# Altium PCB FM_V0.1.PcbDoc (part 2 of 3)
Units mm, origin at the board's own origin, x right, y up, seen from the top; angles counter-clockwise.
Board outline 99.9 x 100.1 mm, 2 copper layers (Top Layer, Bottom Layer); 147 components, 106 nets, 533 pads, 1581 vias.
Unrouted connection lines stored in the file: 2.
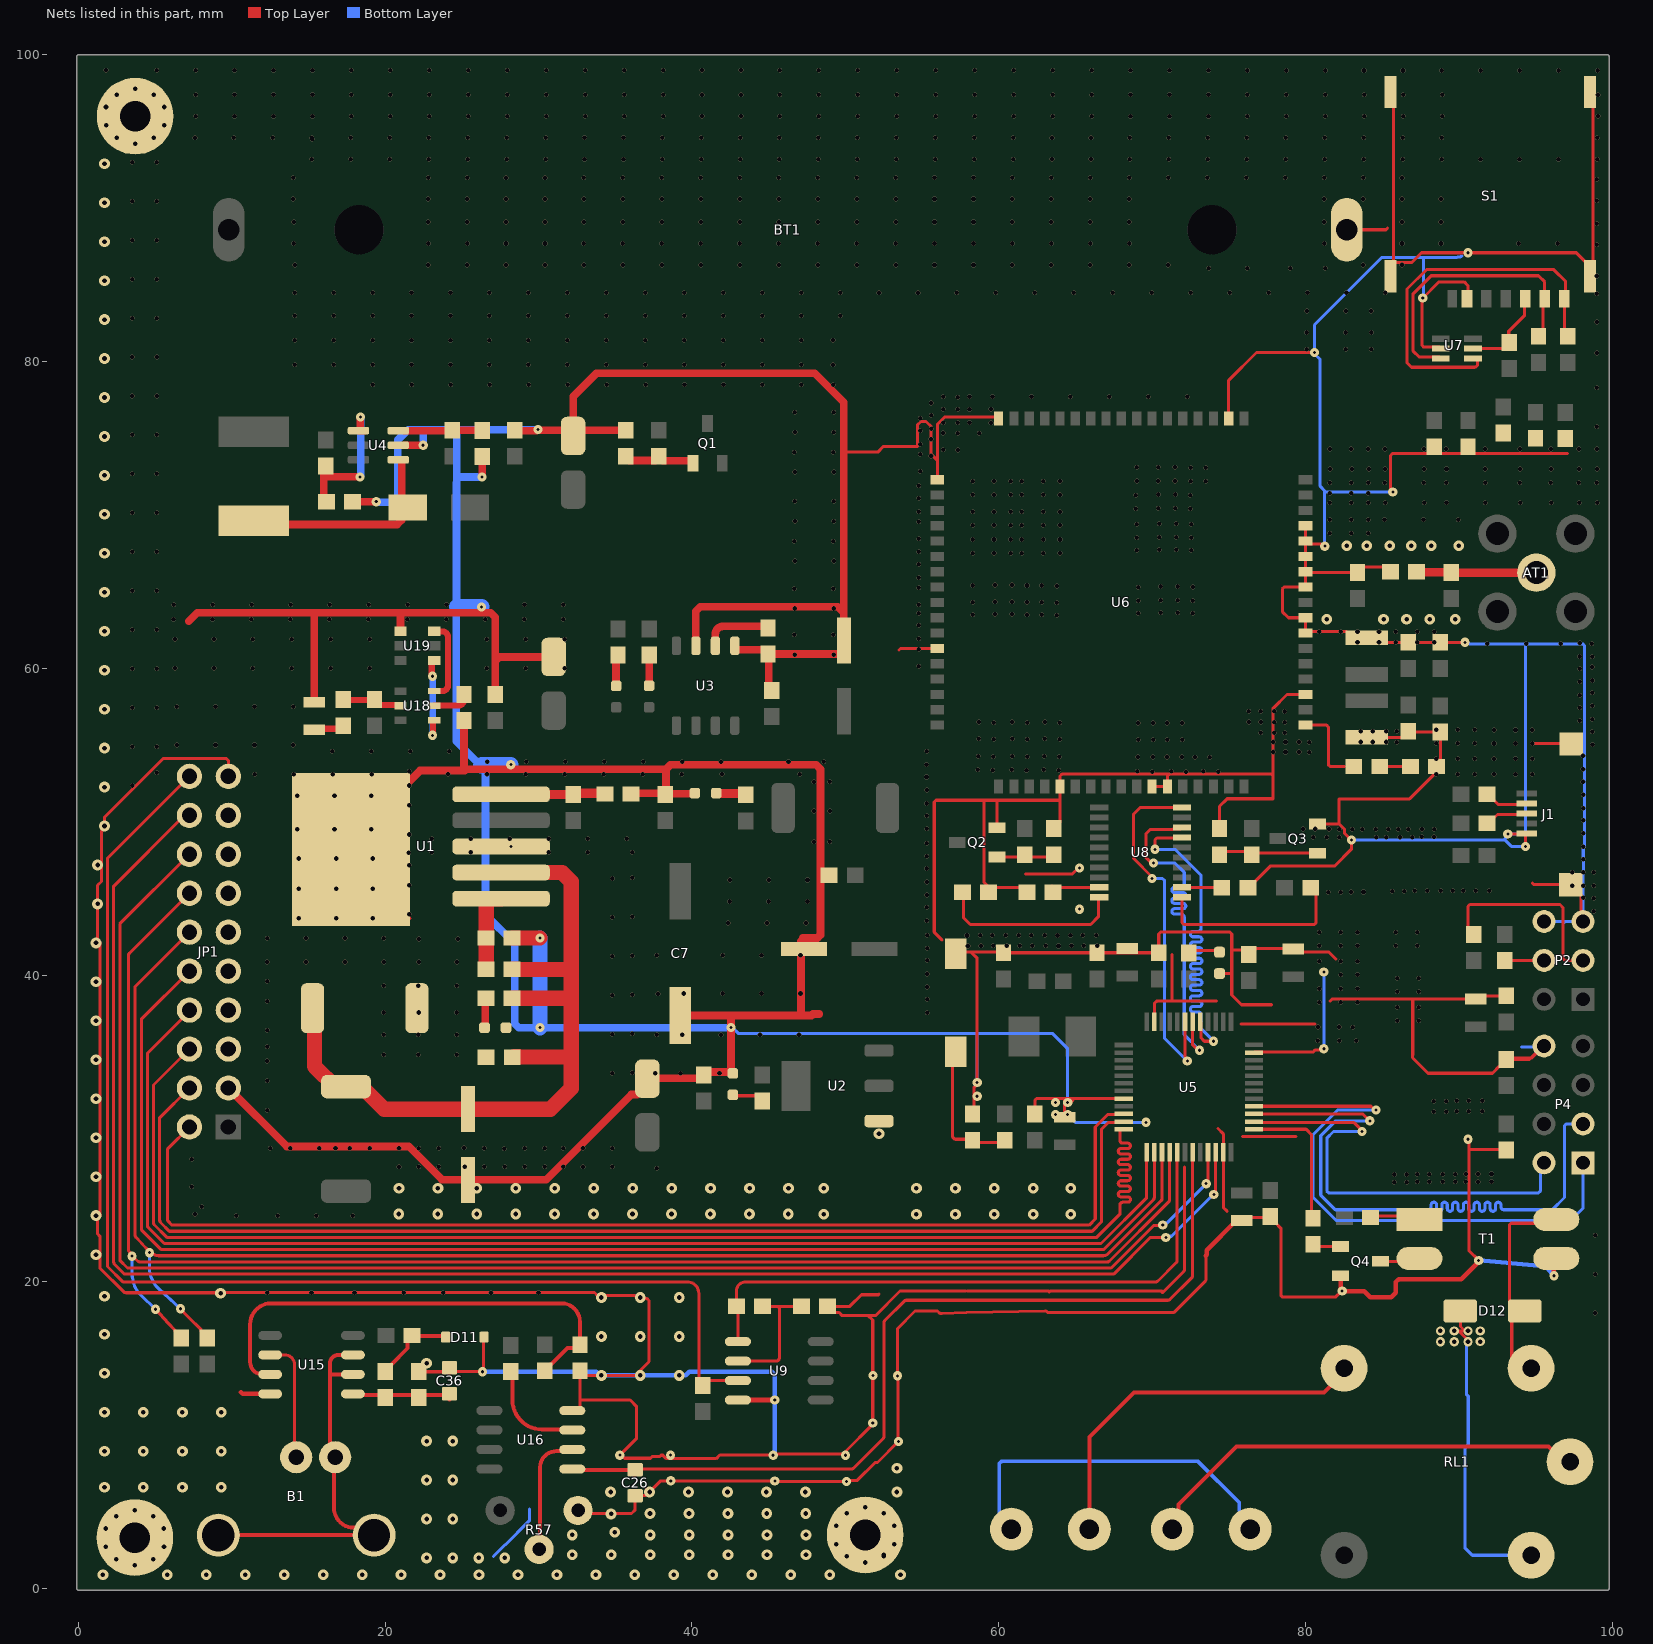
[diagram p2: the nets of this part, all layers, seen from the top]

## Via types
v1: diameter 0.3, hole 0.3, Top Layer to Bottom Layer, tented both sides, 1189 vias
v2: diameter 0.7, hole 0.3, Top Layer to Bottom Layer, tented both sides, 190 vias
v3: diameter 0.6, hole 0.2, Top Layer to Bottom Layer, tented both sides, 153 vias
v4: diameter 0.6, hole 0.3, Top Layer to Bottom Layer, tented both sides, 33 vias
v5: diameter 0.7, hole 0.3, Top Layer to Bottom Layer, 15 vias
v6: diameter 0.6, hole 0.2, Top Layer to Bottom Layer, 1 vias

## Nets (pads, with @x,y where several pads share a name; then routed paths per layer and width w, separated by ;. In a path a pad name is that pad's centre, name@x,y a point inside that pad or via, vN(x,y) a via of type N, cw(c..) or ccw(c..) an arc to the next point about the centre after c; other vN are vias at no path point) (continued)
GND: BT1.2 C1.2 C2.1 C3.2 C4.1 C5.2 C6.1 C7.2 C8.1 C9.1 C10.1 C11.1 C12.1 C13.2 C14.1 C15.2 C16.1 C17.2 C18.1 C19.1 C20.1 C21.1 C22.1 C23.1 C24.1 C25.1 C26.2 C27.1 C28.1 C29.1 C30.1 C31.1 C32.1 C33.1 C35.1 C36.2 C37.1 C38.1 C39.1 C46.1 C47.1 C48.1 C49.1 C50.1 C64.1 D4.1 D5.2 D6.2 D7.2 D11.A D20.2 J1.5 JP1.3 JP1.5 JP1.7 JP1.9 JP1.11 JP1.13 JP1.15 JP1.17 JP1.19 M1.GND M2.GND M3.GND P1.2 P2.3 P2.6 P4.8 Q2.2 Q3.2 Q4.2 R6.1 R7.1 R9.2 R13.1 R16.2 R17.2 R18.2 R19.1 R20.2 R27.1 R30.2 R31.2 R34.1 R35.2 R41.1 R42.1 R44.1 R57.1 S1.5 T1.3 U1.3 U2.1 U3.1 U3.3 U4.2 U5.8 U5.23 U5.35 U5.47 U6.2 U6.17 U6.18 U6.29 U6.39 U6.45 U6.46 U6.54 U6.58 U6.59 U6.61 U6.62 U6.63 U6.64 U6.65 U7.2 U9.4 U15.4 U16.4 U19.1 | length 1113.9
  Top Layer w0.2: v2(1.15,21.773) 1.21,21.832 v2@1.4,21.832 ; v2(1.15,24.32) v2@1.4,24.32 ; v2(1.15,26.86) v2@1.4,26.86 ; v2(1.15,29.4) v2@1.4,29.4 ; v2(1.15,31.94) v2@1.4,31.94 ; v2(1.15,34.48) v2@1.4,34.48 ; v2(1.15,37.02) v2@1.4,37.02 ; v2(1.15,39.56) v2@1.4,39.56 ; v2(1.15,42.1) v2@1.4,42.1 ; v2(1.25,44.64) v2@1.45,44.64 ; v2(1.25,47.18) v2@1.5,47.18 ; M3.GND@3.654,1.259 3.68,1.286 M3.GND@3.68,1.33 ; M3.GND@3.819,1.281 M3.GND@3.819,1.366 ; M3.GND@3.841,1.407 3.841,3.159 M3.GND@3.68,3.32 3.925,3.564 5.18,3.564 M3.GND@5.569,3.952 ; M3.GND@3.881,1.381 M3.GND@3.881,3.119 ; v2(9.269,19.25) v2@9.269,19.3 ; JP1.19@9.779,52.959 9.779,53.993 9.662,54.111 5.51,54.111 1.7,50.3 v2(1.7,49.72) 1.7,49.585 1.5,49.385 v2@1.5,47.18 ; U1.3@14.5,43.6 U1.3@14.55,43.65 ; U1.3@14.5,43.701 U1.3@16.62,45.82 ; U1.3@16.67,45.77 17.782,46.882 U1.3@17.782,46.622 ; v5(16.7,51.7) v5(16.7,49.52) ; v5(16.8,45.64) U1.3@17.782,46.622 ; v5(16.8,47.6) 17.195,47.6 U1.3@17.782,48.187 ; U1.3@16.924,43.701 17.782,44.558 U1.3@17.782,46.622 ; U1.3@17.732,46.932 17.782,46.983 U1.3@17.782,48.187 ; U1.3@17.782,49.402 17.782,50.382 v5(19.1,51.7) ; v5(19.2,45.64) U1.3@19.2,46.769 ; v5(19.2,47.6) U1.3@18.613,48.187 ; U1.3@19.324,43.701 U1.3@19.324,46.001 ; U1.3@19.815,50.22 19.84,50.22 20.7,50.22 U1.3@21.4,49.52 ; U1.3@21.5,45.64 U1.3@18.953,48.187 ; U1.3@21.5,47.6 U1.3@20.913,48.187 ; v1(21.545,47.978) 21.337,48.187 U1.3@20.913,48.187 ; U1.3@21.624,43.701 U1.3@19.324,46.001 ; R42.1@22.05,14.3 R42.1@22.2,14.15 ; D4.1@22.074,37.846 22.074,39.205 v1(22.169,39.3) ; R42.1@22.2,14.34 22.4,14.14 24,14.14 24.06,14.2 24.11,14.15 26.329,14.15 v3(26.342,14.137) 26.4,14.194 26.4,16.35 D11.A@26.45,16.4 ; v1(25.2,27.5) 25.2,26.856 C5.2@25.4,26.656 ; U16.4@32.2,11.605 32.515,11.605 32.7,11.79 32.7,12.295 ; R57.1@32.58,5.1 32.78,4.9 v2@34.729,4.9 ; v2(34.729,4.87) v2@34.729,4.9 ; v2@34.729,5.094 v2@34.729,4.9 ; R44.1@48.85,18.4 50.296,18.4 51.056,19.161 52.161,19.161 52.2,19.2 ; R44.1@48.913,18.337 49.25,18 49.6,18 49.8,17.8 51.5,17.8 ; 49.91,74.1 52.118,74.1 52.492,74.474 54.7,74.474 54.7,75.866 54.934,76.1 55.266,76.1 55.6,75.766 55.6,73.965 56,73.565 ; 53.5,61.2 53.6,61.3 U6.29@56,61.3 ; U6.18@56,72.3 56,73.565 ; 56.3,42.3 55.8,42.8 55.8,51.283 55.917,51.4 59.1,51.4 ; P1.2@56.9,41.694 P1.2@57.194,41.4 ; P1.2@57.445,41.5 58.2,41.5 ; 57.85,19.4 53.569,19.4 51.969,17.8 51.5,17.8 ; 57.95,19.4 63.25,19.4 ; C37.1@58.3,30.933 58.4,31.033 58.4,32.692 58.6,32.892 v3(58.6,33) 58.6,41.1 58.2,41.5 ; Q2.2@59.9,49.6 59.9,51.4 ; U6.17@60,76.3 59.9,76.4 56.5,76.4 56,75.9 56,73.565 ; R34.1@61.744,45.7 59.4,45.7 59.05,46.05 59.05,51.35 59.1,51.4 ; 61.759,46.6 64.817,46.6 65.205,46.987 v3(65.279,46.987) ; C25.1@62.358,30.933 62.358,31.833 62.475,31.95 v3@64.424,31.95 ; 63.3,19.35 63.35,19.4 70.65,19.4 ; R30.2@63.6,49.55 64,49.95 U6.39@64,52.3 64,52.983 64.117,53.1 71.117,53.1 ; 63.992,51.397 63.989,51.4 59.9,51.4 ; C18.1@64.306,30.741 64.306,31.833 v3@64.424,31.95 ; v3(64.5,31.7) 64.577,31.777 64.777,31.777 64.95,31.95 ; U5.8@68.15,31.95 64.95,31.95 ; U6.45@70,52.3 U6.46@71,52.3 71,52.983 71.117,53.1 ; U5.47@70.15,36.95 70.15,38.15 70.3,38.3 71.2,38.3 ; 70.65,19.3 70.7,19.3 72.049,20.649 ccw(c71.908,20.791) 72.108,20.791 72.108,27.491 ; 71.3,41.328 71.3,38.4 71.2,38.3 ; 73.5,21.7 73.516,21.684 73.516,20.173 cw(c73.316,20.173) 73.512,20.133 73.5,20.074 71.484,18.058 cw(c71.343,18.2) 71.343,18 63.2,18 63.1,18.1 63.039,18.1 57.898,18.005 56.299,17.939 ccw(c56.307,17.739) 56.284,17.937 cw(c56.258,18.136) 56.117,17.994 56.011,18.1 54.549,18.1 53.4,16.952 v3(53.4,13.875) 53.431,13.845 53.431,9.62 v3(53.462,9.589) 52.097,8.225 51.949,8.225 50.782,7.057 50.158,7.057 v3(50.082,6.981) 50.066,6.996 45.42,6.996 v3(45.405,7.012) 45.398,7.019 38.626,7.019 v3(38.619,7.026) 37.966,7.026 37.26,6.32 37.22,6.32 36.983,6.083 36.333,6.083 C26.2@36.3,6.05 36.3,5.134 36.066,4.9 v2@34.729,4.9 ; 74.2,38.3 71.2,38.3 ; 74.3,30 74.65,29.65 U5.23@74.65,28.45 74.65,24.85 74.9,24.6 ; D20.2@74.4,40.1 75.2,40.1 ; R31.2@74.4,49.55 74.4,51 74.9,51.5 77.9,51.5 77.9,53 ; R31.2@74.646,49.604 R31.2@74.646,50.009 ; U6.2@75,76.3 75,78.783 76.817,80.6 v3(80.6,80.6) ; C10.1@75.7,24.2 77.55,24.2 C21.1@77.65,24.2 ; 75.801,36.8 77.176,36.8 80.638,36.8 ; 75.9,29.48 79.374,29.48 ; R35.2@76.25,45.7 76.3,45.7 77.7,47.1 81.9,47.1 83,48.2 v3(83,48.8) 82.562,49.238 82.562,49.488 82.2,49.85 ; U5.35@76.65,34.95 76.675,34.975 80.5,34.975 80.648,35.123 81.123,35.123 v3(81.2,35.2) ; C21.1@77.54,24.09 C21.1@77.65,24.2 ; C21.1@77.7,24.25 77.7,24.2 C21.1@77.65,24.2 ; 77.8,38.068 75.832,38.068 75.2,38.7 75.2,40.1 ; C21.1@78.025,23.875 78.4,23.5 78.4,19.117 78.517,19 81.951,19 82.351,19.4 v3(82.4,19.4) ; C22.1@79.2,41.7 79.4,41.5 81.54,41.5 82,41.04 ; C22.1@79.2,41.739 76.789,41.739 76.4,41.35 76.1,41.65 75.2,41.65 ; U6.54@80,58.3 78.8,58.3 77.9,57.4 77.9,53 ; U6.58@80,62.3 U6.59@80,63.3 78.9,63.3 78.5,63.7 78.5,65.183 78.617,65.3 U6.61@80,65.3 U6.62@80,66.3 ; U6.65@80,69.3 U6.64@80,68.3 ; U6.58@80.2,62.4 82.675,62.4 83.075,62 C28.1@84,62 84.3,61.7 C31.1@86.7,61.7 C30.1@88.8,61.7 v3(90.4,61.7) ; Q3.2@80.8,49.85 82.2,49.85 ; v3(81.265,67.965) 81.157,67.965 81.022,68.1 80.2,68.1 U6.64@80,68.3 ; 81.6,38.3 81.736,38.436 87,38.436 ; BT1.2@82.305,88.6 BT1.2@82.7,88.6 85.259,88.6 85.359,88.7 ; C29.1@84,55.5 86.3,55.5 C32.1@86.7,55.9 86.75,55.85 C33.1@88.8,55.85 88.8,53.75 R27.1@88.6,53.55 ; C39.1@85.55,66.6 83.75,66.6 C38.1@83.4,66.25 80.05,66.25 U6.62@80,66.3 ; v3@85.55,71.5 85.55,73.883 85.667,74 97.081,74 ; S1.5@85.55,85.57 S1.5@85.739,85.759 ; S1.5@85.739,97.713 S1.5@85.739,85.759 ; R27.1@88.55,53.6 88.55,53.328 cw(c88.35,53.328) 88.492,53.187 86.836,51.531 cw(c86.695,51.673) 86.695,51.473 82.2,51.473 82.2,49.85 ; U7.2@88.832,80.845 88.732,80.945 87.717,80.945 87.6,81.062 87.6,83.536 87.603,83.539 87.603,84.088 88.715,85.2 90.351,85.2 90.603,84.947 90.603,84.163 S1.5@90.53,84.09 ; v3(90.6,29.3) 90.673,29.227 90.673,28.627 ; C24.1@91.099,38.436 87,38.436 ; C24.1@91.1,38.6 91.15,38.65 C9.1@93.1,38.65 ; v3(91.3,21.4) 90.673,22.027 90.673,28.627 ; R20.2@92.8,28.3 R20.2@93.1,28.6 93.073,28.627 90.673,28.627 ; v6(93.2,49.2) 94.4,49.2 94.352,49.152 v3(94.352,48.393) ; 94.8,46 94.9,45.9 J1.5@97.3,45.9 97.962,45.238 97.962,43.638 P2.3@98.1,43.5 ; v1(94.8,55.1) 97.295,55.1 J1.5@97.325,55.069 ; P4.8@95.56,35.38 94.78,34.6 94.7,34.6 ; P4.8@95.56,35.42 95.52,35.42 94.7,34.6 ; S1.5@98.55,85.57 98.55,86.22 97.67,87.1 87.576,87.1 86.941,86.465 85.85,86.465 85.739,86.354 S1.5@85.739,85.759 ; S1.5@98.719,85.733 98.739,85.713 S1.5@98.739,97.713 ; v2@1.4,21.832 1.4,20.9 2.951,19.349 ccw(c3.093,19.49) 3.093,19.29 9.078,19.29 ccw(c9.078,19.49) 9.219,19.349 9.269,19.398 9.366,19.3 v1(12.3,19.3) v1(15.2,19.3) v1(18,19.3) v1(21.2,19.3) v1(23.8,19.3) v1(26.9,19.3) v1(30,19.3) 33.645,19.3 33.869,19.076 34.331,19.076 34.355,19.1 36.273,19.1 36.297,19.076 36.616,19.076 36.64,19.1 36.836,18.904 37.083,18.904 37.2,18.786 37.2,14.8 36.3,13.9 v2(34.1,13.9) 33,13.9 R41.1@32.7,14.2 32.7,12.295 ; v2@1.4,21.832 1.4,22.983 1.25,23.133 1.25,24.12 1.4,24.27 v2@1.4,24.32 ; v2@1.4,24.32 v2@1.4,26.86 ; v2@1.4,26.86 v2@1.4,29.4 ; v2@1.4,29.4 v2@1.4,31.94 ; v2@1.4,31.94 v2@1.4,34.48 ; v2@1.4,34.48 v2@1.4,37.02 ; v2@1.4,37.02 v2@1.4,39.56 ; v2@1.4,39.56 v2@1.4,42.1 ; v2@1.4,42.1 1.4,42.15 1.25,42.3 1.25,44.305 1.45,44.505 v2@1.45,44.64 ; v2@1.45,44.64 1.25,44.84 1.25,45.853 1.5,46.103 v2@1.5,47.18 ; v5(16.7,49.52) 17.533,48.687 17.533,48.436 16.7,49.269 v5(16.7,49.52) ; U1.3@17.782,48.187 U1.3@18.613,48.187 ; U1.3@17.782,48.187 U1.3@19.2,46.769 ; U1.3@18.613,48.187 U1.3@18.953,48.187 ; U1.3@18.953,48.187 U1.3@20.913,48.187 ; U1.3@19.2,46.769 19.324,46.645 U1.3@19.324,46.001 ; 32.7,12.295 35.971,12.295 36.4,11.866 36.4,9.8 v3(35.3,8.7) 35.408,8.7 35.608,8.5 37.299,8.5 37.416,8.617 37.924,8.617 38.001,8.694 38.109,8.694 38.334,8.469 41.581,8.469 41.822,8.709 45.228,8.709 45.301,8.781 49.941,8.781 50.014,8.854 50.014,8.935 51.793,10.714 v3(51.793,10.795) 51.793,17.507 51.5,17.8 ; 58.2,41.5 60.27,41.5 C19.1@60.312,41.458 C20.1@66.408,41.458 C23.1@70.437,41.458 70.437,42.683 70.554,42.8 75.083,42.8 75.2,42.683 75.2,41.65 ; 59.1,51.4 59.9,51.4 ; v3@64.424,31.95 64.95,31.95 ; 71.117,53.1 77.8,53.1 77.9,53 ; 75.2,40.1 75.2,40.7 75.2,41.65 ; U6.62@80,66.3 U6.63@80,67.3 U6.64@80,68.3 ; 87,38.436 87,34.8 86.983,34.783 86.983,34.617 88,33.6 92.2,33.6 92.65,34.05 92.7,34.05 93.1,34.45 R9.2@93.1,34.5 ; R9.2@93.1,34.5 94.6,34.5 94.7,34.6 ; R9.2@93.1,34.5 93.2,34.6 94.7,34.6
  Top Layer w0.3: 10.601,12.799 10.705,12.695 U15.4@12.5,12.695 ; U9.4@43,12.295 43.003,12.297 45.397,12.297 v3(45.4,12.3) ; 73.5,21.7 73.557,21.757 73.557,22.057 75.5,24 C10.1@75.85,24 ; C21.1@77.7,24.25 C21.1@78.05,23.9 ; Q4.2@82.3,20.4 82.3,19.581 82.4,19.481 v3(82.4,19.4) 83.841,19.4 84.241,19 85.6,19 85.9,19.3 85.9,19.994 86.076,20.169 90.151,20.169 91.3,21.319 v3(91.3,21.4) ; v3(96.2,20.4) 96.2,21.37 T1.3@96.36,21.53
  Top Layer w0.5: 7.192,63.072 7.747,63.627 15.406,63.627 ; JP1.3@9.779,32.639 13.589,28.829 21.537,28.829 23.71,26.656 C5.2@25.4,26.656 30.494,26.656 36.05,32.212 36.418,32.212 36.957,32.75 36.957,33.119 37.112,33.274 40.679,33.274 40.996,33.591 41.048,33.591 41.144,33.687 D5.2@42.606,33.687 ; C64.1@15.367,57.796 15.367,63.588 15.406,63.627 ; R17.2@17.877,70.866 v3(19.417,70.866) ; v5(19.1,49.52) U1.3@18.365,49.52 ; U1.3@19.108,49.512 U1.3@17.782,48.187 U1.3@17.782,48.937 ; U1.3@19.132,49.488 19.84,50.195 19.84,50.22 19.84,50.904 22.276,53.34 25.185,53.34 25.273,53.428 ; U19.1@20.998,62.418 20.998,63.627 ; U4.2@21.239,74.549 v3(22.479,74.549) ; R16.2@25.146,56.603 25.146,53.555 25.273,53.428 ; v3(26.311,72.48) 26.322,72.491 26.322,73.806 R18.2@26.333,73.817 ; C16.1@27.183,58.303 27.183,60.453 ; C12.1@28.2,75.502 29.882,75.502 29.945,75.565 v3(29.972,75.565) 29.999,75.565 30.038,75.526 C17.2@32.258,75.526 ; C15.2@30.987,60.746 27.476,60.746 27.183,60.453 ; C17.2@32.258,75.156 C17.2@32.258,75.526 ; R19.1@35.687,75.526 C17.2@32.258,75.526 ; R7.1@36.189,51.859 38.187,51.859 C8.1@38.262,51.784 C8.1@38.303,51.825 ; C7.2@39.243,37.366 42.545,37.366 ; D7.2@40.192,51.866 40.151,51.825 C8.1@38.303,51.825 ; U3.3@40.258,61.469 40.258,63.715 40.551,64.008 49.518,64.008 49.811,63.715 ; D5.2@42.545,33.687 v3(42.545,36.576) 42.545,37.366 ; U3.1@42.798,61.469 42.798,61.255 42.848,61.205 44.707,61.205 44.972,60.94 49.71,60.94 49.91,61.14 C13.2@49.91,61.804 49.91,74.1 49.91,77.344 48.006,79.248 33.782,79.248 32.258,77.724 C17.2@32.258,75.526 ; R13.1@44.957,60.94 45.021,60.877 45.021,58.729 C14.1@45.2,58.55 ; 48.3,37.465 47.9,37.465 47.801,37.366 47.117,37.366 ; 15.406,63.627 20.998,63.627 ; U1.3@17.782,48.937 U1.3@18.365,49.52 ; U1.3@17.782,48.937 17.782,49.337 17.965,49.52 U1.3@18.365,49.52 ; 20.998,63.627 26.89,63.627 27.183,63.334 27.183,60.453 ; 25.273,53.428 38.313,53.428 ; C8.1@38.303,51.825 38.313,51.835 38.313,53.428 ; 38.313,53.428 38.606,53.721 48.094,53.721 48.387,53.428 48.387,42.618 48.187,42.418 47.23,42.418 47.23,42.331 47.117,42.218 47.117,37.366 ; 42.545,37.366 47.117,37.366
  Top Layer w1: R6.1@28.282,42.418 v3(30.099,42.418)
  Bottom Layer w0.2: 27.061,2.102 27.799,2.84 27.823,2.84 29.4,4.416 29.4,5.2 ; v3(42.545,36.576) 42.642,36.576 43.018,36.2 58.6,36.2 ; v3(58.6,33) 58.6,36.2 ; v3(64.5,30.9) 65,30.4 v3(69.6,30.4) ; v3(64.5,31.7) 64.5,35.2 63.5,36.2 58.6,36.2 ; v3(81.2,35.2) v3(81.2,40.2) ; v3(81.265,67.965) 81.238,67.993 81.238,71.6 ; v3(83,48.8) 93.023,48.8 ; v3(85.7,71.5) 81.338,71.5 81.238,71.6 ; v3(87.653,84.139) 87.7,84.185 87.7,86.8 ; 90.2,86.9 90.123,86.823 89.906,86.823 89.883,86.8 87.7,86.8 ; v3(90.4,61.7) 90.477,61.623 90.694,61.623 90.717,61.6 v1(91.86,61.6) ; v1@91.86,61.554 91.906,61.6 94.354,61.6 v1@94.4,61.554 ; 94.1,35.3 95.48,35.3 P4.8@95.56,35.38 ; v3(94.352,48.393) 93.431,48.393 93.023,48.8 ; P2.6@95.56,43.5 96.83,43.5 ; v1@96.66,61.554 96.614,61.6 94.446,61.6 v1@94.4,61.554 ; v1(96.66,61.6) 98.083,61.6 98.2,61.483 v1@98.2,48.357 ; 96.9,43.43 96.83,43.5 ; v1@98.163,48.357 98.117,48.311 98.117,47.516 98.122,47.511 98.12,47.511 98.12,46.719 v1(98.122,46.717) 98.111,46.706 98.111,43.511 P2.3@98.1,43.5 96.83,43.5 ; 81.238,71.6 80.959,71.878 80.959,80.132 80.6,80.492 v3(80.6,80.6) 80.6,82.4 85,86.8 87.7,86.8 ; 93.023,48.8 93.023,48.915 93.2,49.092 v6(93.2,49.2) 94.352,49.2 94.352,61.525 94.381,61.554 v1@94.4,61.554
  Bottom Layer w0.3: v3(26.342,14.137) 33.755,14.137 33.992,13.9 v2(34.1,13.9) v2(36.64,13.9) v2(39.18,13.9) 39.598,13.9 39.835,14.137 45.224,14.137 45.4,13.961 v3(45.4,12.3) 45.4,8.962 45.228,8.79 v3@45.228,8.709 ; v3(91.3,21.4) 91.33,21.397 95.594,21.008 95.702,20.998 95.781,20.903 v3(96.2,20.4)
  Bottom Layer w0.5: v3@19.444,70.847 19.507,70.847 19.534,70.82 20.535,70.82 20.828,71.113 20.828,74.891 21.502,75.565 v3(29.972,75.565) ; v3(22.479,74.549) 22.479,75.184 ; 24.66,75.41 24.66,72.517 ; v3(26.311,72.48) 24.697,72.48 24.66,72.517 ; v3(28.194,48.387) 26.543,48.387 ; v3(42.545,36.576) v3(30.099,36.576) 28.702,36.576 28.448,36.83 28.448,42.037 26.543,43.942 26.543,48.387 ; 24.66,72.517 24.66,72.099 24.649,72.088 24.649,64.008 24.649,63.638 24.638,63.627 24.638,55.245 26.226,53.657 26.543,53.34 26.543,48.387
  Bottom Layer w1: 24.649,64.008 v3(26.289,64.008) ; 26.226,53.657 26.289,53.721 v3(28.194,53.721) ; v3(30.099,36.576) v3(30.099,42.418)
  other v1: 98.892,17.968 98.892,20.508 98.892,23.048 98.91,23.031 10.3,24.3 13,24.3 15.5,24.3 17.9,24.3 7.6,24.4 8.05,24.904 7.4,26.2 85.8,26.5 86.6,26.5 87.286,26.517 88.086,26.517 88.968,26.516 88.968,26.516 89.768,26.516 90.454,26.533 91.254,26.533 92.136,26.532 85.8,27 86.6,27 87.286,27.017 88.086,27.017 88.968,27.016 88.968,27.016 89.768,27.016 90.454,27.033 91.254,27.033 92.136,27.032 37.7,27.4 20.9,27.5 22.2,27.5 23.5,27.5 26.465,27.5 27.8,27.5 29.1,27.5 30.4,27.5 31.6,27.5 32.9,27.5 34.8,27.5 7.4,28 27.77,28.676 12.5,28.7 13.8,28.7 15.7,28.7 16.765,28.7 17.7,28.7 19,28.7 20.9,28.7 22.2,28.7 23.5,28.7 26.465,28.7 29.1,28.7 30.4,28.7 31.6,28.7 32.9,28.7 34.8,28.7 25.142,28.738 88.375,31.101 89.175,31.101 89.861,31.118 90.661,31.118 91.543,31.117 12.3,31.2 88.375,31.783 89.175,31.783 89.861,31.8 90.661,31.8 91.543,31.799 12.3,33.1 34.8,33.6 37.6,33.6 39.26,33.6 41.8,33.6 36.1,33.64 12.3,34.4 19.9,34.8 22.169,34.8 24.657,34.8 12.3,35.335 80.819,35.732 82.219,35.732 83.319,35.732 19.9,36.1 22.169,36.1 24.657,36.1 37.7,36.1 39.36,36.1 41.9,36.1 44.44,36.1 46.98,36.1 34.8,36.14 36.1,36.18 12.3,36.4 80.82,36.614 82.22,36.614 83.1,36.6 85.999,37.018 87.399,37.018 55.356,37.545 19.92,37.565 22.189,37.565 24.677,37.565 86,37.9 87.4,37.9 80.899,38.218 82.299,38.218 83.399,38.218 12.3,38.3 55.357,38.426 34.8,38.68 36.1,38.72 37.788,38.786 39.46,38.8 42,38.8 44.54,38.8 47.08,38.8 85.999,38.918 87.399,38.918 80.9,39.1 82.3,39.1 83.4,39.1 55.357,39.226 19.9,39.3 24.657,39.3 12.3,39.6 86,39.8 87.4,39.8 82.299,40.018 83.399,40.018 55.347,40.075 55.347,40.075 12.3,40.853 14.84,40.853 17.38,40.853 19.92,40.853 22.189,40.853 24.677,40.853 80.9,40.9 82.3,40.9 83.4,40.9 55.348,40.957 34.8,41.22 36.1,41.26 37.7,41.3 39.46,41.3 42,41.3 44.54,41.3 47.08,41.3 55.348,41.757 58,41.9 58.849,41.91 59.649,41.91 60.531,41.909 60.531,41.909 61.379,41.919 62.179,41.919 63.061,41.918 63.9,41.9 64.749,41.91 65.549,41.91 66.431,41.909 66.431,41.909 80.899,41.918 82.299,41.918 83.399,41.918 85.899,41.918 87.299,41.918 22.189,42.353 24.729,42.353 12.3,42.4 14.84,42.4 17.38,42.4 19.92,42.4 57.939,42.582 63.839,42.582 55.337,42.606 58.788,42.592 59.588,42.592 60.469,42.591 60.469,42.591 61.318,42.601 62.118,42.601 63,42.6 64.688,42.592 65.488,42.592 66.369,42.591 66.369,42.591 80.9,42.8 82.3,42.8 83.4,42.8 85.9,42.8 87.3,42.8 42.36,43.4 44.9,43.4 47.44,43.4 55.318,43.539 34.8,43.76 36.1,43.8 21.577,43.965 98.809,44.169 55.319,44.421 42.46,44.8 45,44.8 47.54,44.8 98.799,45.018 98.121,45.035 55.319,45.221 81.5,45.4 82.3,45.4 82.986,45.417 83.786,45.417 85.651,45.478 86.451,45.478 87.137,45.495 87.937,45.495 88.819,45.494 88.819,45.494 89.619,45.494 90.305,45.511 91.105,45.511 91.987,45.51 97.399,45.818 98.799,45.818 98.121,45.835 21.577,45.865 55.309,46.069 55.309,46.069 42.46,46.2 45,46.2 47.54,46.2 34.8,46.3 36.1,46.34 97.4,46.7 98.8,46.7 55.31,46.951 21.577,47.165 98.117,47.557 55.31,47.751 23.04,48 25.58,48 30.66,48 33.2,48 36.1,48 98.117,48.357 55.3,48.6 47.96,48.701 49,48.701 23.04,48.9 25.58,48.9 28.12,48.9 30.66,48.9 33.2,48.9 35.74,48.9 80.518,49.001 81.4,49 82.2,49 84.614,48.997 85.284,48.988 86.165,48.987 86.965,48.987 79.849,49.01 87.584,49.013 88.384,49.013 21.577,49.165 98.118,49.239 83.049,49.51 83.718,49.501 84.6,49.5 85.4,49.5 86.049,49.51 86.718,49.501 87.6,49.5 88.4,49.5 55.318,49.539 79.855,49.529 80.655,49.529 81.536,49.528 82.206,49.518 98.108,50.088 55.308,50.388 47.96,50.7 49,50.7 98.108,50.888 21.577,51.065 55.308,51.188 98.109,51.769 55.309,52.069 55.309,52.069 3.5,52.36 21.577,52.365 47.96,52.6 49,52.6 98.099,52.618 55.299,52.918 11.5,53.1 14.04,53.1 16.58,53.1 19.12,53.1 24.1,53.1 26.64,53.1 29.18,53.1 31.72,53.1 34.26,53.1 36.8,53.1 39.34,53.1 41.96,53.1 47.04,53.1 88.536,53.107 89.936,53.107 91.036,53.107 92.3,53.1 93.7,53.1 94.8,53.1 5.1,53.2 70.018,53.267 72.218,53.267 74.318,53.267 21.577,53.3 69.043,53.3 71.243,53.3 73.343,53.3 59.618,53.367 61.818,53.367 63.918,53.367 58.643,53.4 60.843,53.4 62.943,53.4 98.099,53.418 55.299,53.718 26.66,53.9 29.2,53.9 31.74,53.9 34.28,53.9 36.82,53.9 39.36,53.9 41.9,53.9 46.3,53.9 48.6,53.9 88.536,54.107 89.936,54.107 91.036,54.107 92.3,54.1 93.7,54.1 94.8,54.1 72.8,54.2 73.776,54.2 59.655,54.227 61.855,54.227 63.955,54.227 69.067,54.22 70.043,54.22 70.974,54.22 71.949,54.22 58.68,54.261 60.88,54.261 62.98,54.261 98.1,54.3 80.251,54.54 77.9,54.55 78.7,54.55 79.582,54.549 16.56,54.6 19.1,54.6 21.64,54.6 24.18,54.6 55.3,54.6 3.5,54.9 5.1,54.9 6.4,55 8.94,55 11.48,55 14.02,55 98.719,55.021 92.3,55.1 93.7,55.1 88.536,55.107 89.936,55.107 91.036,55.107 77.9,55.2 78.7,55.2 79.582,55.199 80.251,55.19 83.6,55.2 84.4,55.2 85.282,55.199 85.951,55.19 69.094,55.337 70.069,55.337 71,55.337 71.976,55.337 59.676,55.367 61.876,55.367 63.976,55.367 58.7,55.4 60.9,55.4 63,55.4 78.651,55.79 77.1,55.8 77.982,55.799 85.951,55.89 98.709,55.869 83.6,55.9 84.4,55.9 85.282,55.899 88.537,55.989 89.937,55.989 91.037,55.989 92.301,55.982 93.701,55.982 94.801,55.982 69.094,56.437 70.069,56.437 71,56.437 71.976,56.437 59.676,56.467 61.876,56.467 63.976,56.467 58.7,56.5 60.9,56.5 63,56.5 76.3,56.5 77.1,56.5 77.982,56.499 78.651,56.49 97.897,56.595 98.709,56.669 76.3,57.2 77.1,57.2 77.982,57.199 78.651,57.19 3.5,57.44 5.1,57.44 97.887,57.444 6.4,57.5 8.94,57.5 11.48,57.5 14.02,57.5 98.705,57.559 97.887,58.244 98.695,58.408 97.888,59.126 98.695,59.208 3.5,59.98 5.1,59.98 97.878,59.975 6.3,60 8.84,60 11.38,60 13.92,60 16.46,60 19,60 26.62,60 29.16,60 31.7,60 98.696,60.09 54.79,60.149 98.71,60.751 97.878,60.775 46.7,60.9 49.24,60.9 54.79,61.249 94.4,61.6 98.68,61.6 97.879,61.656 83.4,61.7 84.8,61.7 85.89,61.7 85.9,61.7 87.29,61.7 88.39,61.7 6.3,61.9 8.84,61.9 11.38,61.9 13.92,61.9 16.46,61.9 19,61.9 26.62,61.9 29.16,61.9 31.7,61.9 54.799,61.918 46.68,62.2 49.22,62.2 80.9,62.4 82.3,62.4 83.4,62.4 84.8,62.4 85.9,62.4 87.3,62.4 88.4,62.4 3.5,62.52 5.1,62.52 54.8,62.8 6.2,63.2 8.74,63.2 11.28,63.2 13.82,63.2 16.36,63.2 18.9,63.2 21.44,63.2 23.98,63.2 26.52,63.2 29.06,63.2 31.6,63.2 63.776,63.467 58.3,63.5 61.849,63.505 62.8,63.5 59.764,63.538 60.873,63.538 54.8,63.6 69.108,63.597 72.657,63.602 70.573,63.635 71.682,63.635 46.7,63.9 49.24,63.9 6.223,64.135 8.763,64.135 11.303,64.135 13.843,64.135 16.383,64.135 18.923,64.135 21.463,64.135 24.003,64.135 29.083,64.135 31.623,64.135 54.79,64.149 63.776,64.267 58.3,64.3 62.8,64.3 61.849,64.305 59.764,64.338 60.873,64.338 69.1,64.4 72.649,64.405 70.564,64.438 71.673,64.438 3.5,65.06 5.1,65.06 46.68,65.2 49.22,65.2 54.79,65.249 69.1,65.3 72.649,65.305 70.564,65.338 71.673,65.338 63.776,65.367 58.3,65.4 61.849,65.405 62.8,65.4 59.764,65.438 60.873,65.438 54.799,65.918 54.8,66.8 46.7,67 49.24,67 58.299,67.518 59.699,67.518 60.799,67.518 61.499,67.518 62.899,67.518 63.999,67.518 3.5,67.6 5.1,67.6 54.8,67.6 69,67.7 72.549,67.705 70.464,67.738 71.573,67.738 46.68,68.3 49.22,68.3 58.3,68.4 59.7,68.4 60.8,68.4 61.5,68.4 62.9,68.4 64,68.4 54.79,68.449 69,68.518 72.549,68.524 70.464,68.557 71.573,68.557 81.599,68.818 82.999,68.818 84.099,68.818 58.299,69.318 59.699,69.318 60.799,69.318 61.499,69.318 62.899,69.318 63.999,69.318 69,69.4 72.55,69.405 70.465,69.438 71.574,69.438 54.79,69.549 46.72,69.6 49.26,69.6 81.599,69.7 82.999,69.7 84.099,69.7 85.16,69.7 87.7,69.7 89.96,69.7 3.5,70.14 5.1,70.14 58.3,70.2 59.7,70.2 60.8,70.2 61.5,70.2 62.9,70.2 64,70.2 54.799,70.218 68.95,70.413 72.499,70.418 70.414,70.452 71.523,70.452 81.6,70.8 83,70.8 84.1,70.8 85.2,70.8 87.74,70.8 89.2,70.8 91.74,70.8 94,70.8 96.02,70.8 97.856,70.8 99.02,70.8 46.7,70.9 49.24,70.9 54.8,71.1 68.95,71.295 72.5,71.3 58.299,71.318 59.699,71.318 60.799,71.318 61.499,71.318 62.899,71.318 63.999,71.318 70.415,71.333 71.524,71.333 81.599,71.418 82.999,71.418 84.099,71.418 54.8,71.9 81.599,72.1 82.999,72.1 84.099,72.1 85.18,72.1 87.72,72.1 89.18,72.1 91.72,72.1 93.98,72.1 96,72.1 97.836,72.1 99,72.1 73.502,72.194 58.3,72.2 59.7,72.2 60.8,72.2 61.5,72.2 62.9,72.2 64,72.2 68.999,72.218 70.399,72.218 71.499,72.218 72.521,72.211 3.5,72.68 5.1,72.68 46.7,72.8 49.24,72.8 54.89,72.849 81.623,72.996 83.023,72.996 84.123,72.996 85.2,73 87.74,73 89.2,73 91.74,73 94,73 96.02,73 97.856,73 99.02,73 73.503,73.075 69,73.1 70.4,73.1 71.5,73.1 72.522,73.092 55.59,73.849 54.89,73.949 46.68,74.1 49.22,74.1 56.39,74.249 57.324,74.236 81.6,74.3 83,74.3 84.1,74.3 85.18,74.3 87.72,74.3 89.18,74.3 91.72,74.3 93.98,74.3 96,74.3 97.836,74.3 99,74.3 54.899,74.618 55.59,74.949 3.5,75.22 5.1,75.22 56.39,75.349 57.324,75.336 58.724,75.336 46.72,75.4 49.26,75.4 54.9,75.5 55.599,75.618 99,75.76 57.333,76.005 56.399,76.018 58.099,76.018 59.499,76.018 54.9,76.3 55.6,76.5 46.7,76.7 49.24,76.7 57.334,76.887 56.4,76.9 58.1,76.9 59.5,76.9 55.6,77.3 56.4,77.7 57.334,77.687 58.1,77.7 59.6,77.7 62.14,77.7 64.68,77.7 67.22,77.7 69.76,77.7 72.3,77.7 3.5,77.76 5.1,77.76 99,78.3 19.2,78.5 21.74,78.5 24.28,78.5 26.82,78.5 29.36,78.5 31.9,78.5 34.44,78.5 36.98,78.5 39.52,78.5 42.06,78.5 44.6,78.5 47.14,78.5 49.22,78.5 14.1,79.8 16.64,79.8 19.18,79.8 21.72,79.8 24.26,79.8 26.8,79.8 29.34,79.8 31.88,79.8 34.42,79.8 36.96,79.8 39.5,79.8 42.04,79.8 44.58,79.8 47.12,79.8 49.2,79.8 3.5,80.3 5.1,80.3 99,80.56 80.1,80.8 82.64,80.8 84.3,80.8 14.1,81.4 16.64,81.4 19.18,81.4 21.72,81.4 24.26,81.4 26.8,81.4 29.34,81.4 31.88,81.4 34.42,81.4 36.96,81.4 39.5,81.4 42.04,81.4 44.58,81.4 47.12,81.4 49.2,81.4 80.1,81.9 82.64,81.9 84.3,81.9 99,82.58 3.5,82.84 5.1,82.84 14.1,83 16.64,83 19.18,83 21.72,83 24.26,83 26.8,83 29.34,83 31.88,83 34.42,83 36.96,83 39.5,83 42.04,83 44.58,83 47.12,83 49.66,83 80.1,83.3 82.64,83.3 84.3,83.3 99,84.416 14.1,84.5 16.64,84.5 19.18,84.5 21.72,84.5 24.26,84.5 26.8,84.5 29.34,84.5 31.88,84.5 34.42,84.5 36.96,84.5 39.5,84.5 42.04,84.5 44.58,84.5 47.12,84.5 49.66,84.5 52.2,84.5 54.74,84.5 57.28,84.5 59.82,84.5 62.36,84.5 64.9,84.5 67.44,84.5 69.98,84.5 72.52,84.5 75.06,84.5 77.6,84.5 80.14,84.5 82.68,84.5 85.22,84.5 3.5,85.38 5.1,85.38 99,85.58 73.7,86.1 76.2,86.1 79,86.1 81.3,86.1 14.1,86.3 22.8,86.3 25.34,86.3 27.88,86.3 30.42,86.3 32.96,86.3 35.5,86.3 38.04,86.3 40.58,86.3 43.12,86.3 45.66,86.3 48.2,86.3 50.74,86.3 53.28,86.3 55.82,86.3 58.36,86.3 60.9,86.3 63.44,86.3 65.98,86.3 68.52,86.3 71.06,86.3 83.76,86.3 86.3,86.3 98.986,87.618 14.047,87.7 22.8,87.7 25.34,87.7 27.88,87.7 30.42,87.7 32.96,87.7 35.5,87.7 38.04,87.7 40.58,87.7 43.12,87.7 45.66,87.7 48.2,87.7 50.74,87.7 53.28,87.7 55.82,87.7 58.36,87.7 60.9,87.7 63.44,87.7 65.98,87.7 68.52,87.7 81.22,87.7 86.3,87.7 88.84,87.7 93.92,87.7 96.46,87.7 3.5,87.92 5.1,87.92 99,89 14.047,89.1 22.8,89.1 25.34,89.1 27.88,89.1 30.42,89.1 32.96,89.1 35.5,89.1 38.04,89.1 40.58,89.1 43.12,89.1 45.66,89.1 48.2,89.1 50.74,89.1 53.28,89.1 55.82,89.1 58.36,89.1 60.9,89.1 63.44,89.1 65.98,89.1 68.52,89.1 81.22,89.1 86.3,89.1 88.84,89.1 3.5,90.46 5.1,90.46 99,90.5 14,90.6 22.8,90.6 25.34,90.6 27.88,90.6 30.42,90.6 32.96,90.6 35.5,90.6 38.04,90.6 40.58,90.6 43.12,90.6 45.66,90.6 48.2,90.6 50.74,90.6 53.28,90.6 55.82,90.6 58.36,90.6 60.9,90.6 63.44,90.6 65.98,90.6 68.52,90.6 81.22,90.6 83.76,90.6 86.3,90.6 88.84,90.6 99,91.9 14,92 22.8,92 25.34,92 27.88,92 30.42,92 32.96,92 35.5,92 38.04,92 40.58,92 43.12,92 45.66,92 48.2,92 50.74,92 53.28,92 55.82,92 58.36,92 60.9,92 63.44,92 65.98,92 68.52,92 71.06,92 73.6,92 76.14,92 78.68,92 81.22,92 83.76,92 86.3,92 3.5,93 5.1,93 15.22,93.2 17.76,93.2 20.3,93.2 22.84,93.2 25.38,93.2 27.92,93.2 30.46,93.2 33,93.2 35.54,93.2 38.08,93.2 40.62,93.2 43.16,93.2 45.7,93.2 48.24,93.2 50.78,93.2 53.32,93.2 55.86,93.2 58.4,93.2 60.94,93.2 63.48,93.2 66.02,93.2 68.56,93.2 71.1,93.2 73.64,93.2 76.18,93.2 78.72,93.2 81.26,93.2 83.8,93.2 86.34,93.2 88.88,93.2 91.42,93.2 93.96,93.2 96.5,93.2 99.04,93.2 15.24,94.5 7.6,94.6 10.14,94.6 12.68,94.6 15.22,94.6 17.76,94.6 20.3,94.6 22.84,94.6 25.38,94.6 27.92,94.6 30.46,94.6 33,94.6 35.54,94.6 38.08,94.6 40.62,94.6 43.16,94.6 45.7,94.6 48.24,94.6 50.78,94.6 53.32,94.6 55.86,94.6 58.4,94.6 60.94,94.6 63.48,94.6 66.02,94.6 68.56,94.6 71.1,94.6 73.64,94.6 76.18,94.6 78.72,94.6 81.26,94.6 83.8,94.6 86.34,94.6 88.88,94.6 99.04,94.6 7.64,96.006 10.18,96.006 12.72,96.006 15.26,96.006 17.8,96.006 20.34,96.006 22.88,96.006 25.42,96.006 27.96,96.006 30.5,96.006 33.04,96.006 35.58,96.006 38.12,96.006 40.66,96.006 43.2,96.006 45.74,96.006 48.28,96.006 50.82,96.006 53.36,96.006 55.9,96.006 58.44,96.006 60.98,96.006 63.52,96.006 66.06,96.006 68.6,96.006 71.14,96.006 73.68,96.006 76.22,96.006 78.76,96.006 81.3,96.006 83.84,96.006 86.38,96.006 88.92,96.006 99.08,96.006 7.64,97.4 10.18,97.4 12.72,97.4 15.26,97.4 17.8,97.4 20.34,97.4 22.88,97.4 25.42,97.4 27.96,97.4 30.5,97.4 33.04,97.4 35.58,97.4 38.12,97.4 40.66,97.4 43.2,97.4 45.74,97.4 48.28,97.4 50.82,97.4 53.36,97.4 55.9,97.4 58.44,97.4 60.98,97.4 63.52,97.4 66.06,97.4 68.6,97.4 71.14,97.4 73.68,97.4 76.22,97.4 78.76,97.4 81.3,97.4 83.84,97.4 86.38,97.4 88.92,97.4 99.08,97.4 76.203,98.983 78.743,98.983 81.283,98.983 83.823,98.983 86.363,98.983 88.903,98.983 91.443,98.983 93.983,98.983 96.523,98.983 99.063,98.983 1.8,99 5.1,99 7.64,99 10.18,99 12.72,99 15.26,99 17.8,99 20.34,99 22.88,99 25.42,99 27.96,99 30.5,99 33.04,99 35.58,99 38.12,99 40.66,99 43.2,99 45.74,99 48.28,99 50.82,99 53.36,99 55.9,99 58.44,99 60.98,99 63.52,99 66.06,99 68.6,99 71.14,99 73.68,99 76.22,99